# Altium PCB Remote.PcbDoc
Units mil, origin at the board's own origin, x right, y up, seen from the top; angles counter-clockwise.
Board outline 3015.03 x 1405.03 mil, 2 copper layers (Top Layer, Bottom Layer); 14 components, 12 nets, 71 pads, 3 vias.
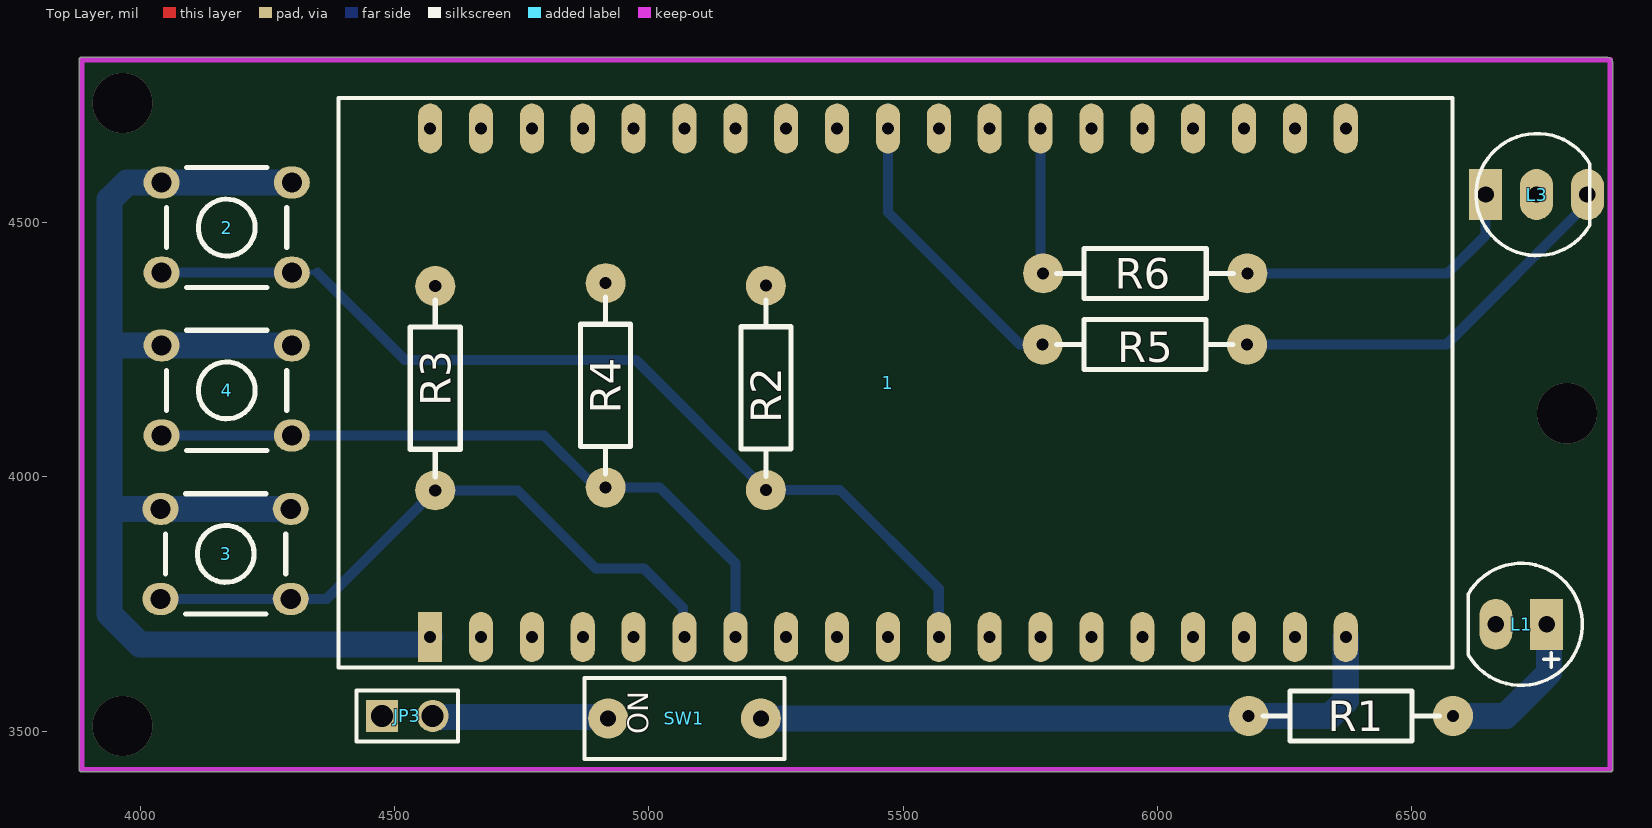
[diagram p0: Top Layer view]
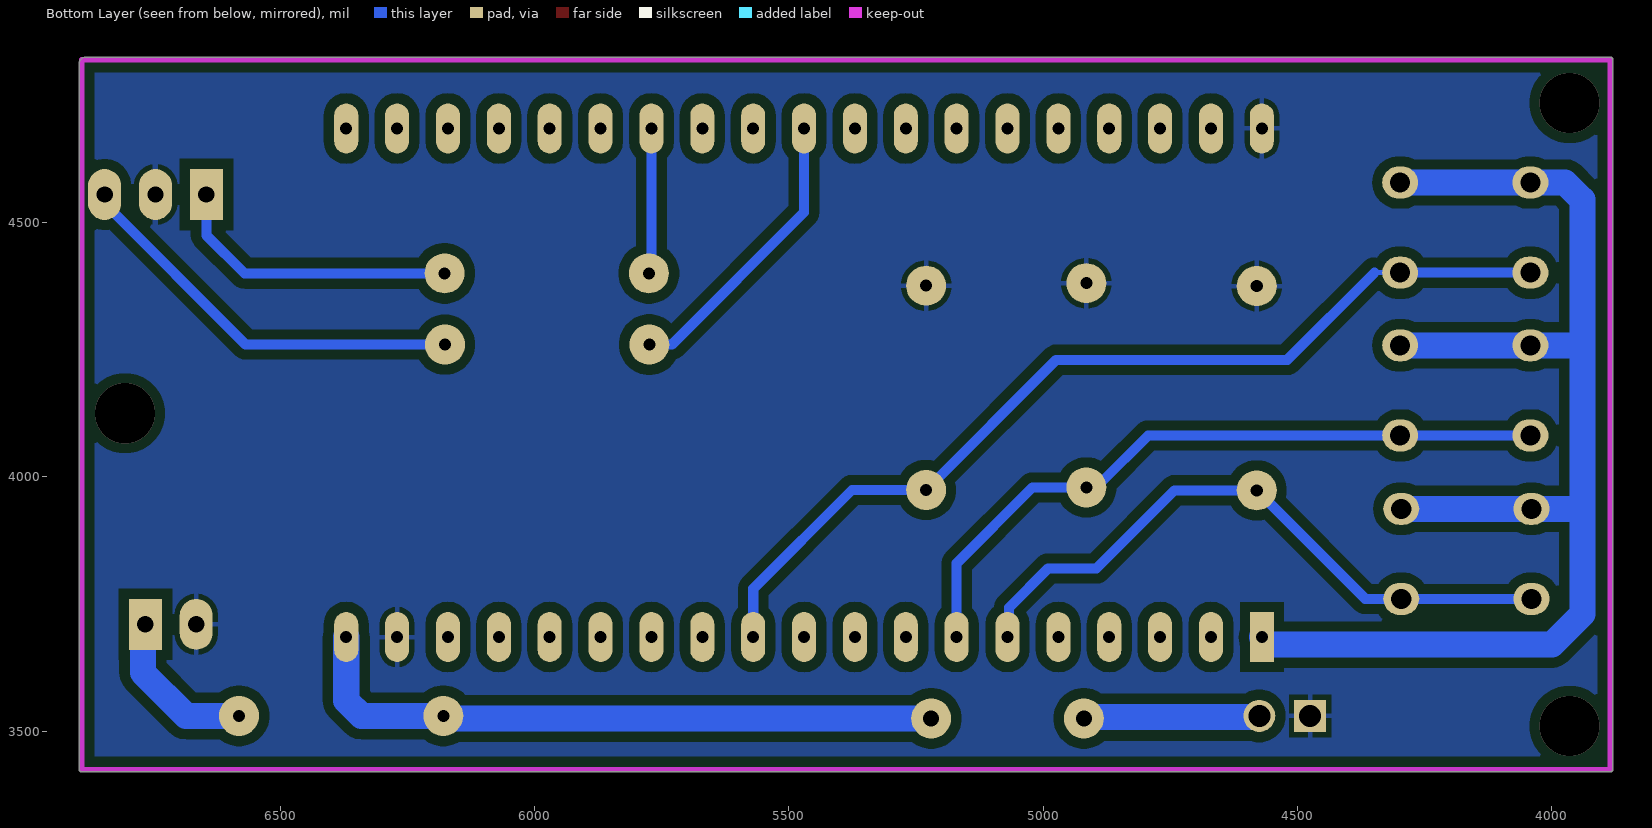
[diagram p1: Bottom Layer view, seen from below]
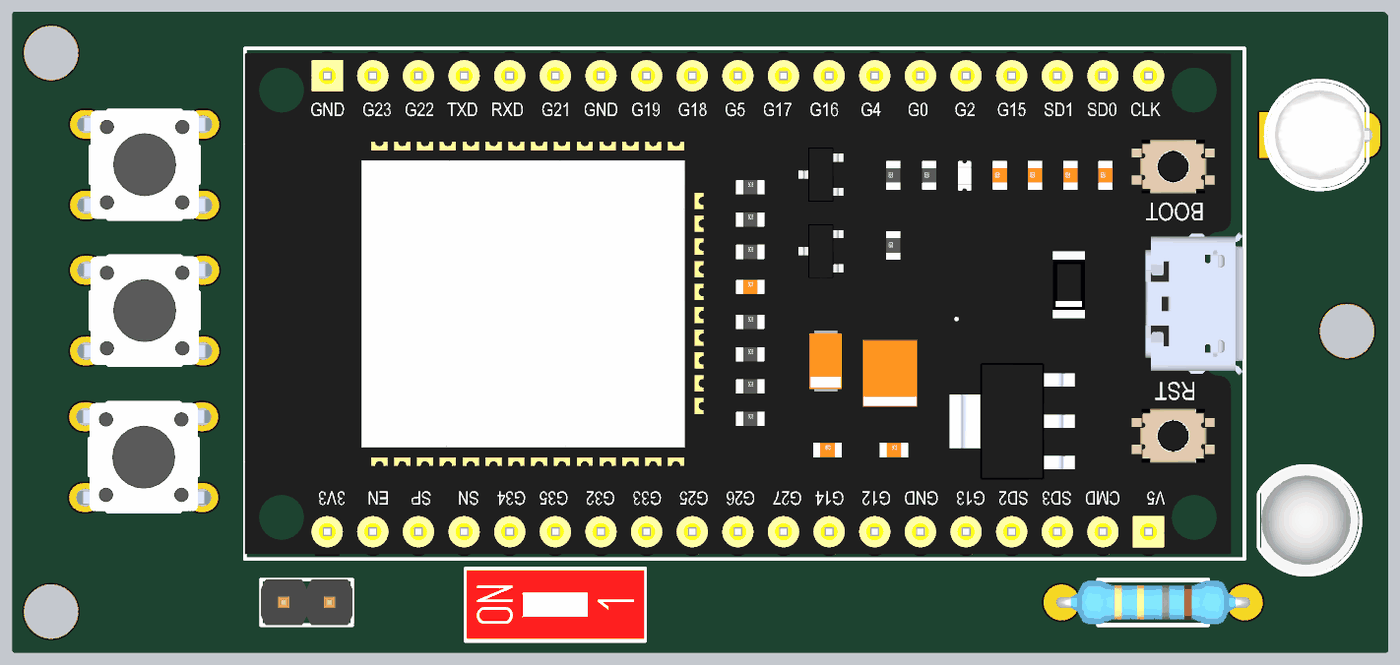
[diagram p2: 3D render of the assembled board from above, using the file's embedded part models]

## Layer stack, top to bottom
Top Solder: solder mask 0.4, Solder Resist, Dk 3.5
Top Layer: signal copper 1.4
Dielectric 1: dielectric 12.6, FR-4, Dk 4.8
Bottom Layer: signal copper 1.4
Bottom Solder: solder mask 0.4, Solder Resist, Dk 3.5

## Board outline
3879.99,3425 ccw(c3885,3425) 3885,3419.99 6890,3419.99 ccw(c6890,3425) 6895.02,3425 6895.02,4815 6893.55,4818.55 6888.55,4823.55 6885,4825.02 3885,4825.02 ccw(c3885,4820) 3879.99,4820

## Design rules (kind name [scope] priority, off if disabled: settings)
Clearance [All] p1: gap=20 ignorepadtopadclearanceinfootprint=FALSE
PolygonConnect [All] p1: connectstyle=Relief reliefconductorwidth=10 reliefentries=4 polygonreliefangle="90 Angle" airgapwidth=10
RoutingVias [All] p1: holewidth=28 width=50 viastyle="Through Hole" minholewidth=28 minwidth=50 maxholewidth=28 maxwidth=50
SolderMaskExpansion [All] p1: expansion=4 istentingtop=FALSE
SupplyNets "Schematic Supply Nets" [InNet('GND')] p1: voltage=0.000
Width [All] p1: maxlimit=10 minlimit=10 preferedwidth=10
30 further rules are at their usual default settings.

## Components (designator, comment, footprint, x,y, rotation, side; value= is the part's Value field where it differs from the comment)
1 "ESP32 DEV KIT" "ESP32 DEVKIT" 4570,3685 r90 top
2 "Button" SW/4/06MM 4170,4490 r90 top
3 "Button" SW/4/06MM 4167.95,3848.58 r90 top
4 "Button" SW/4/06MM 4170,4170 r90 top
JP3 "VIN 5VDC" "JP 1x2 DT" 4475,3530 r0 top
L1 "LED 5mm" LED-5MM-RED 6765,3710 r180 top
L3 "LED 5mm" "LED-5MM 2 MAU" 6645,4555 r0 top
R1 "1k" "tro vach 1/4w" 6380,3530 r0 top
R2 "1k" "tro vach 1/4w" 5230,4175 r270 top
R3 "1k" "tro vach 1/4w" 4580,4174.21 r270 top
R4 "1k" "tro vach 1/4w" 4915,4180 r270 top
R5 "1k" "tro vach 1/4w" 5975,4260 r180 top
R6 "1k" "tro vach 1/4w" 5975.79,4400 r180 top
SW1 "418117270901" 418117270901 5070,3525 r90 top

## Footprints (in the part's own frame and the unit in brackets; to place one, negate y for a bottom-side part, rotate by r counter-clockwise, add the part's x,y. Pads: shape width x height; smd on the part's side, far side on the other; paste and mask are expansions set on the pad)
418117270901 [mm] "2.54 mm compact THT with raised actuator, 1p"
  round 2 hole 0.8: 2(0,3.81) 2(0,-3.81)
  silkscreen extent -2.02,-5 2.02,5, body extent -1.92,-4.95 1.92,4.95, height 6.9
"ESP32 DEVKIT" [mm]
  rect 2.5x1.2 hole 0.6: 1(0,0)
  oval 2.5x1.2 hole 0.6: 2(0,-2.54) 3(0,-5.08) 4(0,-7.62) 5(0,-10.16) 6(0,-12.7) 7(0,-15.24) 8(0,-17.78) 9(0,-20.32) 10(0,-22.86) 11(0,-25.4) 12(0,-27.94) 13(0,-30.48) 14(0,-33.02) 15(0,-35.56) 16(0,-38.1) 17(0,-40.64) 18(0,-43.18) 19(0,-45.72) 20(25.4,-45.72) 21(25.4,-43.18) 22(25.4,-40.64) 23(25.4,-38.1) 24(25.4,-35.56) 25(25.4,-33.02) 26(25.4,-30.48) 27(25.4,-27.94) 28(25.4,-25.4) 29(25.4,-22.86) 30(25.4,-20.32) 31(25.4,-17.78) 32(25.4,-15.24) 33(25.4,-12.7) 34(25.4,-10.16) 35(25.4,-7.62) 36(25.4,-5.08) 37(25.4,-2.54) 38(25.4,0)
  silkscreen extent -1.52,-51.05 26.92,4.57, body extent -1.27,-50.99 26.67,4.59, height 9.68
"JP 1x2 DT" [mm] "2 pins, 1 row, straight, gold plating"
  rect 1.6x1.6 hole 1.1: 1(0,0)
  round 1.6 hole 1.1: 2(2.54,0)
  silkscreen extent -1.27,-1.27 3.81,1.27, body extent -1.27,-1.27 3.81,1.27, height 8.54
"LED-5MM 2 MAU" [mil] "LED 3 PIN, 5 ly , Two colour"
  rect 65x100 hole 32: 1(0,0)
  oval 65x100 hole 32: 2(100,0) 3(200,0)
  silkscreen extent -19,-120 205,120, body extent -16,-116 210,116, height 427
LED-5MM-RED [mil] "LED 2 PIN, 5 ly , Only colour,pin to pin 100mil"
  rect 65x100 hole 32: 1(0,0)
  oval 65x100 hole 32: 2(100,0)
  silkscreen extent -70,-120 154,120, body extent -65,-119 149,118, height 339
SW/4/06MM [mm]
  oval 1.6x1.8 hole 1: 1(-2.25,3.25) 2(-2.25,-3.25) 3(2.25,-3.25) 4(2.25,3.25)
  silkscreen extent -3,-3 3,3, body extent -3.01,-3.87 3.02,3.87, height 5.01
"tro vach 1/4w" [mm]
  round 2 hole 0.6: 2(-5.1,0) 2(5.1,0)
  silkscreen extent -4.39,-1.25 4.42,1.25, body extent -5.38,-1.2 5.38,1.2, height 2.41

## Part data
2 3 4: library part "SW SPST 4-pin", "Tact switch 4-pin"
JP3: library part "JP 1x2 2.54 Duc Thang", "Cắm", Chung_Loai=Cắm, Don_Vi=Con, Ma_Hang=MH000903, Ten_Linh_Kien="Jump Đơn Đực 2.54MM 1x40P Thẳng 11MM"
L1: library part "LED 5mm Do", "Cắm", Chung_Loai=Cắm, Don_Vi=Con, Ma_Hang=MH008967, Ten_Linh_Kien="Led 5MM Phủ Đỏ (1000c)"
L3: library part "LED 5mm 2 mau Katot chung", "Cắm", Chung_Loai=Cắm, Don_Vi=Con, Ma_Hang=MH001547, Ten_Linh_Kien="Led 5MM 2 Mầu Katot Xanh Đỏ (10c)"
R1 R2 R3 R4 R5 R6: library part "Tro Vach 1/4W 5% 1k", "Cắm", Chung_Loai=Cắm, Don_Vi=Con, Ma_Hang=MH007390, So_Chan=2, Ten_Linh_Kien="Trở Vạch 1/4w 5% 1k"
SW1: library part CMP-1435-00001-2, Contact Current Rating=25mA, Contact Resistance=50mΩ, Insulation Resistance=100MΩ, Max Operating Temperature=85°C, Min Operating Temperature=-40°C, Voltage Rating=24V, Body Material="Nylon, Polyamide", Contact Plating=Gold, Current Rating=25mA, Electrical Life=2kcycles, Height=6.95mm, Lead Free="Lead Free", Length=3.84mm, Life (Cycles)=2kcycles, Mechanical Life=5kcycles, Mount="Through Hole", NexarPartId=22584988, Number of Circuits=1, Number of Pins=1, Number of Positions=1, Pitch=2.54mm, RoHS=Compliant, Termination="PC Pin", Throw Configuration=SPST, Voltage Rating (DC)=24V, Washable=No

## Via types
v1: diameter 118.11, hole 118.11, Top Layer to Bottom Layer, 3 vias

## Nets (pads, with @x,y where several pads share a name; then routed paths per layer and width w, separated by ;. In a path a pad name is that pad's centre, name@x,y a point inside that pad or via, vN(x,y) a via of type N, cw(c..) or ccw(c..) an arc to the next point about the centre after c; other vN are vias at no path point)
3.3V: 1.1 2.3 2.4 3.3 3.4 4.3 4.4 | length 2572.1
  Bottom Layer w10: 3940,3940 3942.83,3937.17 ; 3940,4255 3943.58,4258.58
  Bottom Layer w51.18: 3942.83,3937.17 3.4 3.3 ; 3943.58,4258.58 4.4 4.3 ; 2.3 2.4 3973.58,4578.58 3940,4545 3940,4255 3940,3940 3940,3730 4000,3670 4568.03,3670 4568.03,3683.03 1.1
G4: 1.26 R6.2@5775,4400 | length 282.1
  Bottom Layer w10: R6.2@5765,4405 R6.2@5770,4410
  Bottom Layer w20: R6.2@5770,4410 1.26
G5: 1.29 R5.2@5774.21,4260 | length 576.9
  Bottom Layer w20: 1.29 5470,4520 5730,4260 R5.2@5774.21,4260
G27: 1.11 2.1 2.2 R2.2@5230,3974.21 | length 1880.4
  Bottom Layer w10: 2.2 4348.58,4401.42
  Bottom Layer w20: 2.1 2.2 ; 4348.58,4401.42 4520,4230 4974.21,4230 5230,3974.21 5375.79,3974.21 5570,3780 1.11
G32: 1.7 4.1 4.2 R4.2@4915,3979.21 | length 1377.1
  Bottom Layer w10: R4.2@4887.15,3987.85 4906.37,3987.85 R4.2@4915,3979.21
  Bottom Layer w20: 4.1 4793.58,4081.42 R4.2@4887.15,3987.85 ; R4.2@4915,3979.21 5020.79,3979.21 5170,3830 1.7
G35: 1.6 3.1 3.2 R3.2@4580,3973.43 | length 1270.1
  Bottom Layer w20: 3.1 4366.57,3760 4580,3973.43 4741.57,3973.43 4895,3820 4990,3820 5066.79,3743.21 5066.79,3688.21 1.6
GND: 1.18 1.38 JP3.1 L1.2 L3.2 R2.2@5230,4375.79 R3.2@4580,4375 R4.2@4915,4380.79 | length 15.6
  Bottom Layer w10: JP3.1@4474.36,3529.36 JP3.1 ; 1.38 1.38@4575,4680 ; R3.2@4575,4380 4580,4375 R3.2@4580.39,4375.39
NetJP3_2: JP3.2 SW1.2@4920,3525 | length 347.1
  Bottom Layer w10: JP3.2 JP3.2@4577.5,3527.5 ; SW1.2@4917.5,3527.5 SW1.2@4920,3525
  Bottom Layer w51.18: JP3.2@4577.5,3527.5 SW1.2@4917.5,3527.5
NetL1_1: L1.1 R1.2@6580.79,3530 | length 333.6
  Bottom Layer w10: L1.1@6755,3720 L1.1
  Bottom Layer w51.18: R1.2@6580.79,3530 6685,3530 6770,3615 L1.1@6770,3710
NetL3_1: L3.1 R6.2@6176.57,4400 | length 579.5
  Bottom Layer w20: R6.2@6176.57,4400 6570,4400 6645,4475 L3.1
NetL3_3: L3.3 R5.2@6175.79,4260 | length 801.7
  Bottom Layer w10: L3.3@6845,4537.5 L3.3
  Bottom Layer w20: R5.2@6175.79,4260 6567.5,4260 L3.3@6845,4537.5
VIN: 1.19 R1.2@6179.21,3530 SW1.2@5220,3525 | length 1289.5
  Bottom Layer w10: R1.2@6174.21,3525 R1.2@6179.21,3530
  Bottom Layer w51.18: SW1.2@5220,3525 R1.2@6174.21,3525 ; R1.2@6179.21,3530 6340,3530 6370,3560 1.19
pads on no net: 1.2 1.3 1.4 1.5 1.8 1.9 1.10 1.12 1.13 1.14 1.15 1.16 1.17 1.20 1.21 1.22 1.23 1.24 1.25 1.27 1.28 1.30 1.31 1.32 1.33 1.34 1.35 1.36 1.37
copper on no net:
  other v1: 3965,3510 6805,4125 3965,4735

## Polygon pours and split planes (outlines as drawn)
GND on Bottom Layer "GND_L02_P000" (solid, remove dead copper, pour order 0): 3885,4820 6890,4820 6890,3425 3885,3425

## Keep-outs
Keep-Out Layer:
  lines w10: 3885,3425 4870,3425 6890,3425 6890,4820 3885,4820 3885,3425

## Text inside footprints (layer, text, board x,y; h text height)
SW1: Top Overlay "ON" at 4999.13,3493.5 h40 r90; Top Component Outline "ON" at 4999.13,3493.5 h40 r90; Top Component Outline "1" at 5180.24,3521.06 h40 r90